# Altium PCB DAP_MINI.PcbDoc
Units mil, origin at the board's own origin, x right, y up, seen from the top; angles counter-clockwise.
Board outline 1574.69 x 695 mil, 2 copper layers (Top Layer, Bottom Layer), stack 61.756 mil thick; 34 components, 48 nets, 171 pads, 93 vias.
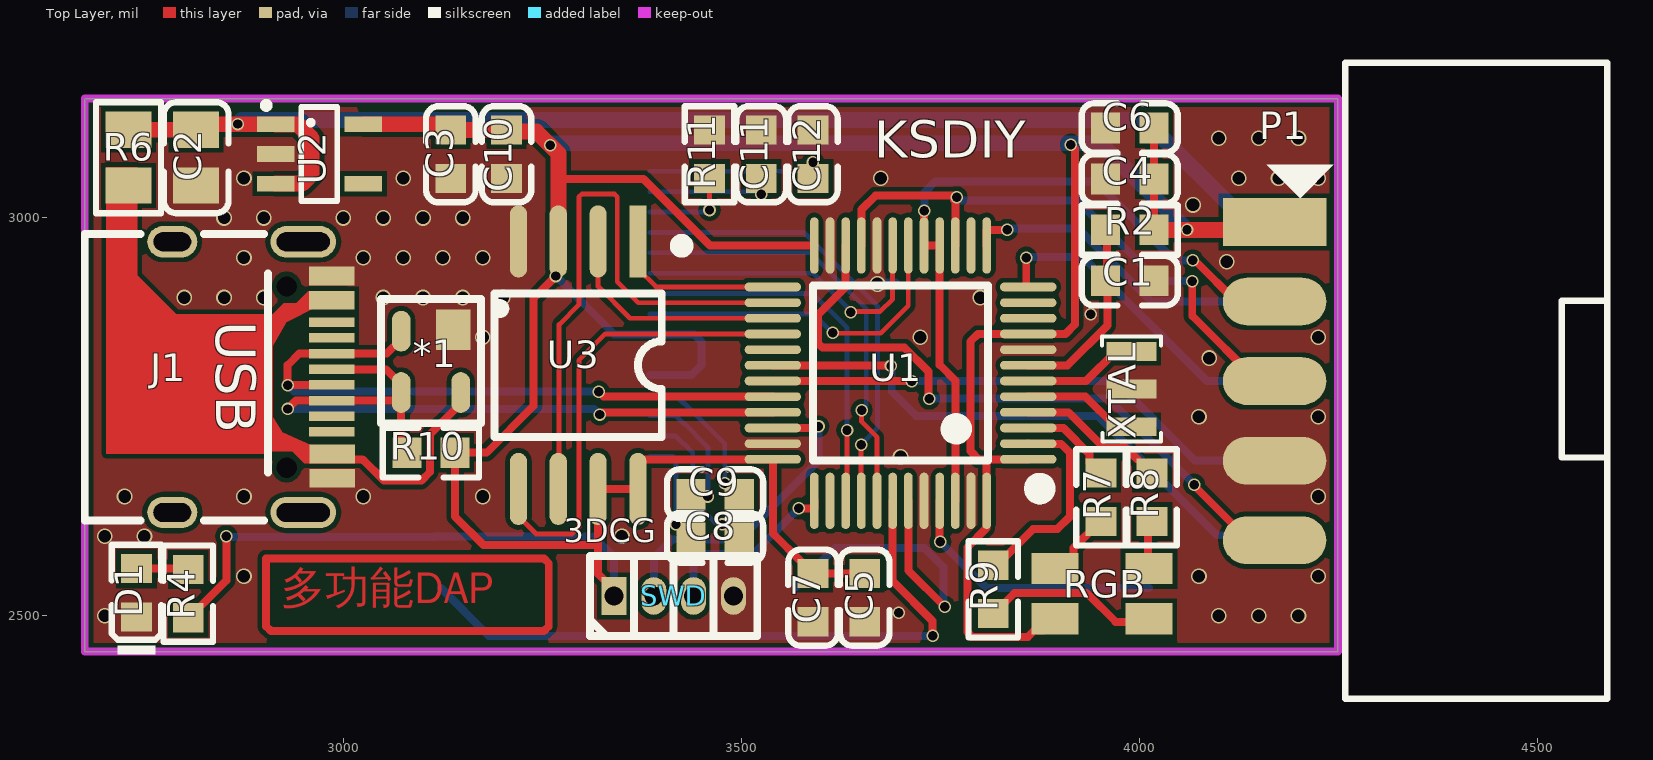
[diagram p0: Top Layer view]
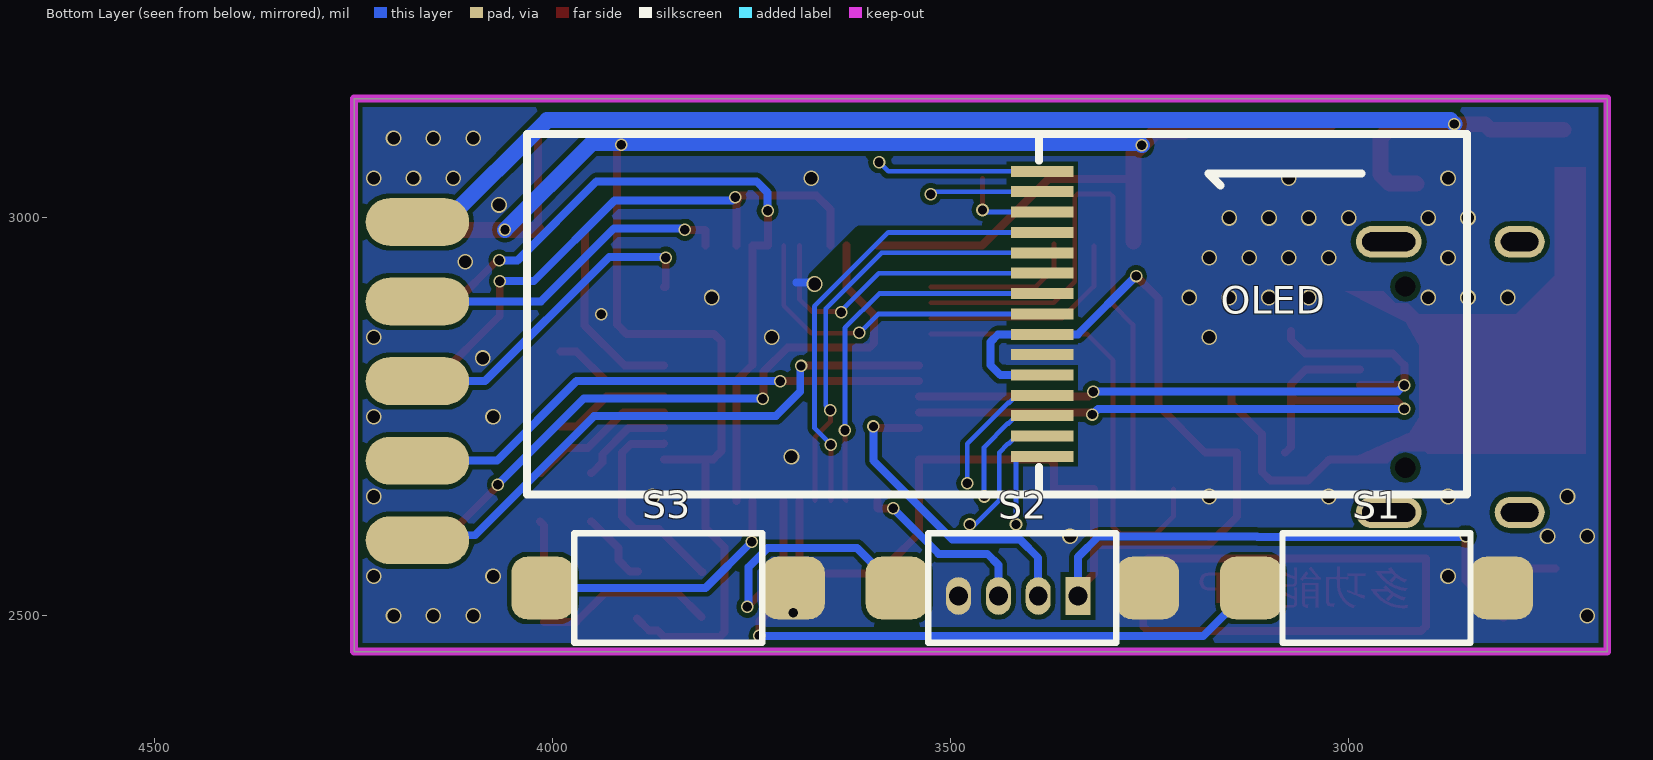
[diagram p1: Bottom Layer view, seen from below]
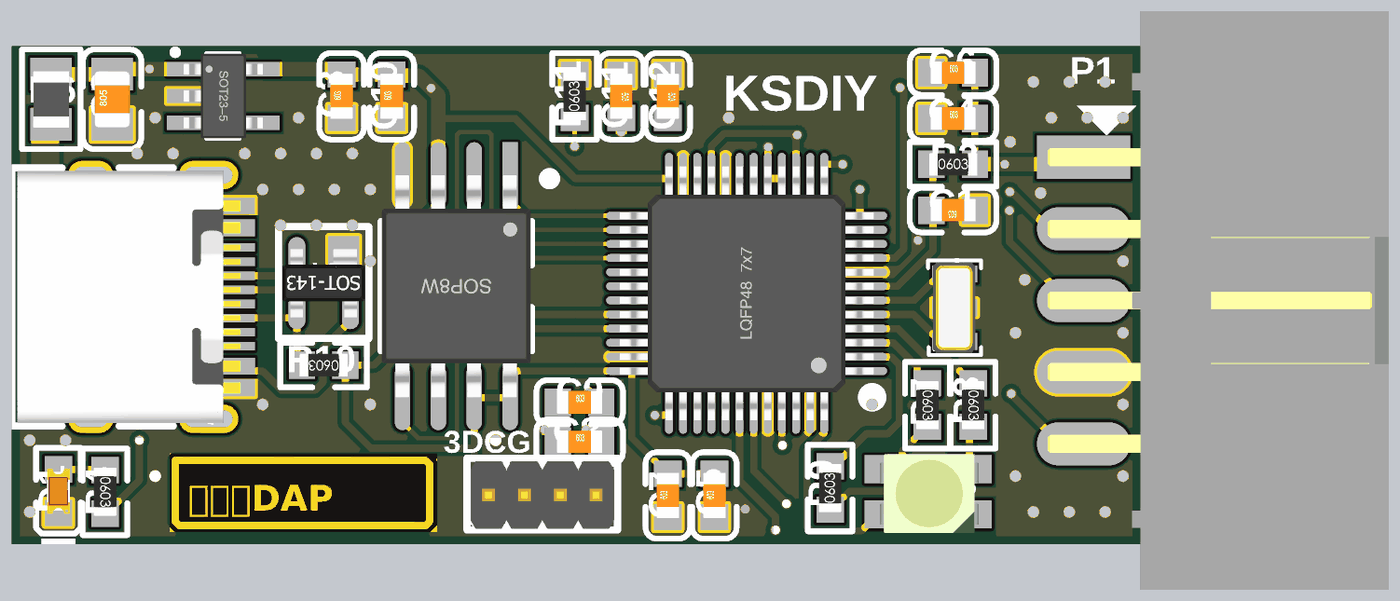
[diagram p2: 3D render of the assembled board from above, using the file's embedded part models]
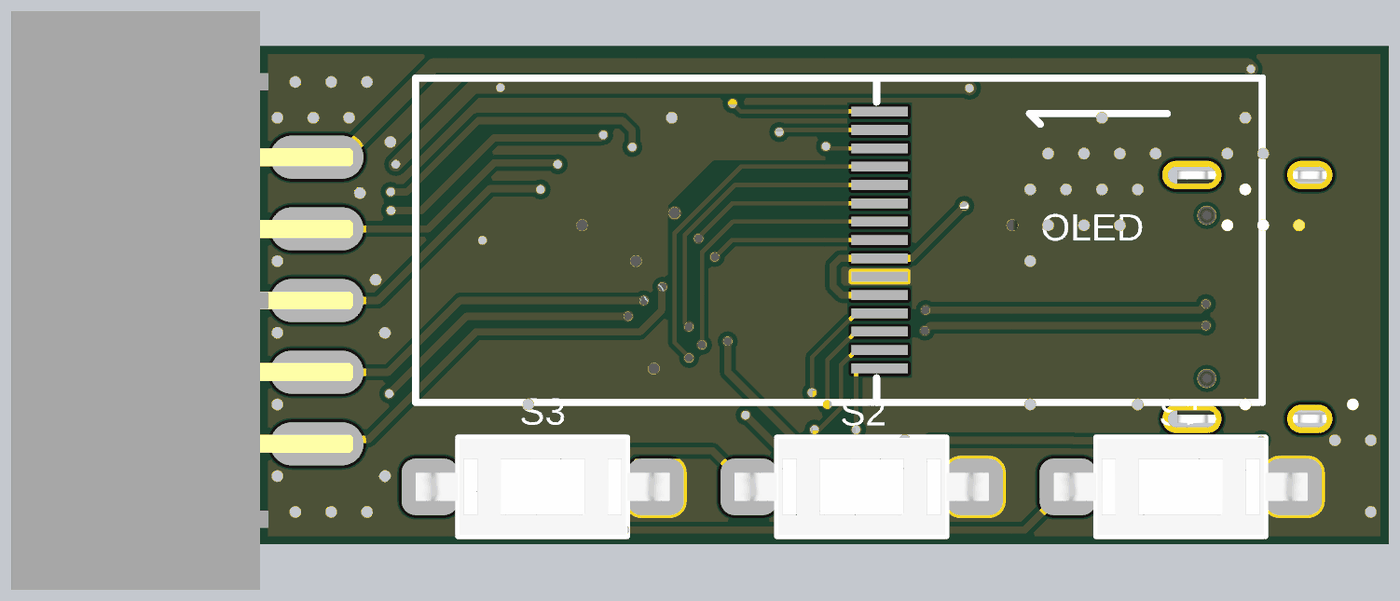
[diagram p3: 3D render of the assembled board from below, using the file's embedded part models]

## Layer stack, top to bottom
Top Solder: solder mask 1, SM-001, Dk 4
Top Layer: signal copper 1.378
Dielectric 1: core 59, Core-043, Dk 4.3
Bottom Layer: signal copper 1.378
Bottom Solder: solder mask 1, SM-001, Dk 4

## Board outline
2675,2455 2675,3150 4249.69,3150 4249.69,2455

## Design rules (kind name [scope] priority, off if disabled: settings)
Clearance [All] p1: gap=6 ignorepadtopadclearanceinfootprint=FALSE
PolygonConnect [All] p1: connectstyle=Direct reliefconductorwidth=10 reliefentries=4 polygonreliefangle="90 Angle" airgapwidth=10
RoutingVias [All] p1: holewidth=11.81 width=15.75 viastyle="Through Hole" minholewidth=11.81 minwidth=15.75 maxholewidth=11.81 maxwidth=15.75
SolderMaskExpansion [All] p1: expansion=4 istentingtop=FALSE
Width [InNet('No Net')] p1: maxlimit=20 minlimit=6 preferedwidth=6
30 further rules are at their usual default settings.

## Components (designator, comment, footprint, x,y, rotation, side; value= is the part's Value field where it differs from the comment)
*1 "PRTR5V0U2X" LC-SOT-143 3110,2820 r90 top
C1 "106" 0603_C 3988,2921 r180 top
C2 "106" 0805_C 2815,3075.75 r90 top
C3 "106" 0603_C 3135,3080 r90 top value=104
C4 "106" 0603_C 3988,3049 r0 top value=104
C5 "106" 0603_C 3655,2523 r90 top value=104
C6 "106" 0603_C 3988,3113 r0 top value=104
C7 "106" 0603_C 3590,2523 r90 top value=104
C8 "106" 0603_C 3467,2598 r0 top value=104
C9 "106" 0603_C 3467,2653 r0 top value=104
C10 "106" 0603_C 3205,3080 r90 top
C11 "106" 0603_C 3525,3080 r270 top value=104
C12 "106" 0603_C 3590,3080 r270 top value=104
D1 "白灯 0603" 0603_LED_S1 2740,2529 r90 top
J1 "USB type C" "USB Type-C-16Pin_A" 2785,2800 r270 top
OLED "QG-2832TLBFG02" 0.91-OLED 4031.57,3156.38 r180 bottom (schematic designator OLED1)
P1 "Header 5X2" "300S-2*5P 2.54MM_2" 4170,2995 r0 top
R2 "Res2" 0603_R 3988,2985 r0 top value=10K
R4 "Res2" 0603_R 2805,2528 r270 top value=1K
R6 "1A保险丝" 0805_L 2730,3075.75 r270 top value=1000MA
R7 "1K" 0603_R 3952,2649 r270 top value=300R
R8 "1K" 0603_R 4016,2649 r270 top value=300R
R9 "1K" 0603_R 3816.46,2533.36 r90 top value=300R
R10 "Res2" LC-0603_R 3110,2705 r180 top value=1.5K
R11 "Res2" 0603_R 3460,3080 r90 top value=10K
RGB "RGB_LED" LED_3528_RGB 3953.02,2528.08 r180 top (schematic designator RGB1)
S1 "RST" KEY 2965,2535 r0 bottom
S2 "RST" KEY 3410,2535 r0 bottom
S3 "RST" KEY 3855,2535 r0 bottom
SWD "Header 4" HDR1.27-LI-4P 3415,2525 r0 top (schematic designator SWD1)
U1 "STM32F103C" "LQFP48 7X7_N" 3700,2805 r90 top
U2 "MIC5219" SOT23-5N 2970,3080.37 r270 top
U3 "W25QXX" SOP8W_N 3295,2815 r270 top
XTAL "8M" XTAL-3215-3P 3990,2785 r90 top (schematic designator XTAL1)

## Footprints (in the part's own frame and the unit in brackets; to place one, negate y for a bottom-side part, rotate by r counter-clockwise, add the part's x,y. Pads: shape width x height; smd on the part's side, far side on the other; paste and mask are expansions set on the pad)
0.91-OLED [mm]
  rect 2x0.35 smd: 1(16.423,-11.585) 2(16.423,-10.933) 3(16.423,-10.283) 4(16.423,-9.633) 5(16.423,-8.985) 6(16.423,-8.335) 7(16.423,-7.685) 8(16.423,-7.035) 9(16.423,-6.385) 10(16.423,-5.735) 11(16.423,-5.085) 12(16.423,-4.435) 13(16.423,-3.785) 14(16.423,-3.135) 15(16.423,-2.485)
  silkscreen extent -0.02,-12.79 29.98,-1.29
"300S-2*5P 2.54MM_2" [mil] "2.54mm 2*5P 直 简牛"
  rect 130x60 smd: 1(0,0)
  oval 130x60 smd far side: 2(0,0) 4(0,-100) 6(0,-200) 8(0,-300) 10(0,-400)
  oval 130x60 smd: 3(0,-100) 5(0,-200) 7(0,-300) 9(0,-400)
  silkscreen extent -10,-599 418,200, body extent -50,-604 426,204, height 169
0603_C [mm]
  rect 0.93x0.98 smd: 1(-0.77,0) 2(0.77,0)
  silkscreen extent -1.53,-0.79 1.54,0.79, body extent -0.8,-0.4 0.8,0.4, height 0.3
0603_LED_S1 [mm]
  rect 0.93x0.98 smd: A(0.77,0) K(-0.77,0)
  silkscreen extent -1.98,-0.79 1.54,0.79, body extent -0.8,-0.4 0.8,0.4, height 0.6
0603_R [mm]
  rect 0.93x0.98 smd: 1(-0.77,0) 2(0.77,0)
  silkscreen extent -1.53,-0.79 1.54,0.79, body extent -0.85,-0.4 0.85,0.4, height 0.56
0805_C [mm]
  rect 1.16x1.47 smd: 1(-0.89,0) 2(0.89,0)
  silkscreen extent -1.77,-1.04 1.77,1.04, body extent -1,-0.62 1,0.63, height 0.77
0805_L [mm]
  rect 1.16x1.47 smd: 1(-0.89,0) 2(0.89,0)
  silkscreen extent -1.77,-1.04 1.77,1.03, body extent -1.02,-0.64 1.03,0.64, height 0.6
HDR1.27-LI-4P [mm] "直插，脚距：1.27mm"
  rect 0.8x1.2 hole 0.6: 1(-1.905,0)
  oval 0.8x1.2 hole 0.6: 2(-0.635,0) 3(0.635,0) 4(1.905,0)
  silkscreen extent -2.67,-1.27 2.67,1.27, body extent -2.54,-1.24 2.54,1.16, height 4.48
KEY [mm]
  rrect50% 2x2 smd: 1(-4,0) 2(4,0)
  silkscreen extent -3,-1.75 3,1.75, body extent -4.5,-1.75 4.5,1.75, height 4.5
LC-0603_R [mm]
  rect 0.93x0.98 smd: 1(-0.77,0) 2(0.77,0)
  silkscreen extent -1.53,-0.79 1.54,0.79, body extent -0.85,-0.4 0.85,0.4, height 0.56
LC-SOT-143 [mm]
  rect 1.3x1.1 smd: 1(1,-0.71)
  oval 1.3x0.6 smd: 2(0.96,0.95) 3(-1,0.95) 4(-1,-0.95)
  silkscreen extent -1.98,-2.35 1.98,1.6, body extent -1.23,-1.46 1.19,1.46, height 1
LED_3528_RGB [mm]
  rect 1.5x1 smd: 1(1.5,-0.8) 2(-1.5,-0.8) 3(-1.5,0.8) 4(1.5,0.8)
  body extent -1.79,-1.34 1.71,1.46, height 1.9
"LQFP48 7X7_N" [mm] "48脚，体宽7x7mm，脚距0.5mm"
  oval 0.279x1.8 smd: 1(-2.75,-4.075) 2(-2.25,-4.075) 3(-1.75,-4.075) 4(-1.25,-4.075) 5(-0.75,-4.075) 6(-0.25,-4.075) 7(0.25,-4.075) 8(0.75,-4.075) 9(1.25,-4.075) 10(1.75,-4.075) 11(2.25,-4.075) 12(2.75,-4.075) 25(2.75,4.075) 26(2.25,4.075) 27(1.75,4.075) 28(1.25,4.075) 29(0.75,4.075) 30(0.25,4.075) 31(-0.25,4.075) 32(-0.75,4.075) 33(-1.25,4.075) 34(-1.75,4.075) 35(-2.25,4.075) 36(-2.75,4.075)
  oval 1.8x0.279 smd: 13(4.075,-2.75) 14(4.075,-2.25) 15(4.075,-1.75) 16(4.075,-1.25) 17(4.075,-0.75) 18(4.075,-0.25) 19(4.075,0.25) 20(4.075,0.75) 21(4.075,1.25) 22(4.075,1.75) 23(4.075,2.25) 24(4.075,2.75) 37(-4.075,2.75) 38(-4.075,2.25) 39(-4.075,1.75) 40(-4.075,1.25) 41(-4.075,0.75) 42(-4.075,0.25) 43(-4.075,-0.25) 44(-4.075,-0.75) 45(-4.075,-1.25) 46(-4.075,-1.75) 47(-4.075,-2.25) 48(-4.075,-2.75)
  silkscreen extent -3.93,-4.69 2.79,2.79, body extent -4.5,-4.5 4.5,4.5, height 1.45
SOP8W_N [mm] "5.3*8.3*1.8mm（长宽高）"
  rect 2.3x0.55 smd: 1(-3.95,1.905)
  oval 2.3x0.55 smd: 2(-3.95,0.635) 3(-3.95,-0.635) 4(-3.95,-1.905) 5(3.95,-1.905) 6(3.95,-0.635) 7(3.95,0.635) 8(3.95,1.905)
  silkscreen extent -3.94,-2.67 2.29,3.43, body extent -3.94,-2.64 3.94,2.64, height 1.9
SOT23-5N [mm] "3x1.6x1.1mm(长宽高)"
  rect 0.5x1.2 smd: 1(-0.95,-1.4) 2(0,-1.4) 3(0.95,-1.4) 4(0.95,1.4) 5(-0.95,1.4)
  silkscreen extent -1.63,-1.78 1.5,0.56, body extent -1.5,-1.4 1.5,1.4, height 1.15
"USB Type-C-16Pin_A" [mm]
  round 0 hole 0.65: 0(-2.89,3.65) 0(2.89,3.65)
  oval 1x2.1 hole 0.6 slot 1.7 at 90 deg: 1(-4.32,4.18) 1(4.32,4.18)
  oval 1x1.6 hole 0.6 slot 1.2 at 90 deg: 1(-4.32,0) 1(4.32,0)
  rect 0.3x1.45 smd: A1(-3.375,5.092) A4(-2.6,5.092) A5(-1.25,5.092) A6(-0.25,5.092) A7(0.25,5.092) A8(-1.75,5.092) A9(2.6,5.1) A12(3.375,5.1) B1(3.075,5.1) B4(2.3,5.1) B5(1.75,5.092) B6(0.75,5.092) B7(-0.75,5.092) B8(1.25,5.092) B9(-2.3,5.092) B12(-3.075,5.092)
  silkscreen extent -4.57,-2.79 4.57,3.05, body extent -4.47,-2.6 4.47,5.3, height 3.25
XTAL-3215-3P [mm]
  rect 0.6x1.6 smd: 1(-1.2,0) 2(0,0) 3(1.2,0)
  silkscreen extent -1.68,-0.94 1.68,0.94, body extent -1.6,-0.74 1.6,0.76, height 0.9

## Part data
C1 C2 C3 C4 C5 C6 C7 C8 C9 C10 C11 C12: library part C_1
D1: library part "0603 白灯", "发光二极管", Package=0603, SuppliersPartNumber=C2290, ComponentLink1Description=供应商链接, ComponentLink1URL=http://www.szlcsc.com/product/details_2663.html, Supplier=LC
J1: library part USB_C
OLED: library part 0.91-OLED, BOM_Manufacturer=Allvision, BOM_Manufacturer Part=QG-2832TLBFG02, BOM_Supplier=LCSC, BOM_Supplier Part=C91220, Contributor=LCSC, spicePre=O, spiceSymbolName=QG-2832TLBFG02
P1: "Header, 5-Pin, Dual row", LatestRevisionDate=17-Jul-2002, LatestRevisionNote="Re-released for DXP Platform.", Publisher="Altium Limited"
R2 R4 R10 R11: "Resistor", LatestRevisionDate=17-Jul-2002, LatestRevisionNote="Re-released for DXP Platform.", PackageReference=AXIAL-0.4, Published=8-Jun-2000, Publisher="Altium Limited"
R6 R7 R8 R9: library part Res2, "Resistor", LatestRevisionDate=17-Jul-2002, LatestRevisionNote="Re-released for DXP Platform.", PackageReference=AXIAL-0.4, Published=8-Jun-2000, Publisher="Altium Limited"
RGB: "三色高亮LED"
S1 S2 S3: library part SW-PB, "Switch", LatestRevisionDate=17-Jul-2002, LatestRevisionNote="Re-released for DXP Platform.", PackageDescription="Switch; 2 Leads", PackageReference=SPST-2, Published=24-Mar-1999, Publisher="Altium Limited"
SWD: "Header, 4-Pin", LatestRevisionDate=17-Jul-2002, LatestRevisionNote="Re-released for DXP Platform.", Publisher="Altium Limited"
U2: "3.3V 降压芯片"
U3: "SPI FLASH", Memory="16M bit"
XTAL: library part XTAL1

## Via types
v1: diameter 19.68, hole 15.75, Top Layer to Bottom Layer, tented both sides, 54 vias
v2: diameter 15.75, hole 11.81, Top Layer to Bottom Layer, tented both sides, 39 vias

## Nets (pads, with @x,y where several pads share a name; then routed paths per layer and width w, separated by ;. In a path a pad name is that pad's centre, name@x,y a point inside that pad or via, vN(x,y) a via of type N, cw(c..) or ccw(c..) an arc to the next point about the centre after c; other vN are vias at no path point)
3V3: C3.2 C4.2 C5.2 C6.2 C7.2 C10.2 OLED.5 OLED.7 P1.1 R2.2 R4.2 R10.1 RGB.4 SWD.1 U1.1 U1.9 U1.24 U1.36 U1.48 U2.5 U3.3 U3.7 U3.8 | length 4973.6
  Top Layer w10: R4.2 2805.98,2497.68 2853,2544.7 v2(2853,2600) ; v2(3267,2927) 3239,2899 3239,2764 3180,2705 R10.1 3140.31,2624.69 3176.11,2588.89 3320,2588.89 ; 3270,3050 3271,3049 3377,3049 3460.55,2965.45 U1.24 ; SWD.1 3340,2532.87 3320,2552.88 3320,2588.89 ; C5.2 C7.2 3589.02,2553.32 3575.71,2566.62 3575.71,2567.61 3539.55,2603.76 U1.36 3375.95,2696.73 3370,2690.78 U3.8 U3.7 3320,2588.89 ; U1.1 3809,2696.73 ; RGB.4 3879.28,2481.9 3868.23,2481.9 3860.07,2473.74 3789.86,2473.74 3784,2479.6 3784,2586.21 3808.08,2610.29 3808.08,2644.36 U1.48 3808.27,2696 3809,2696.73 ; v2(3914,3092) 3919,3087 3919,2866 3907.21,2854.21 U1.9 3797.21,2854.21 3788,2845 3788,2707 3798.27,2696.73 3809,2696.73 ; C6.2 C4.2 4018.32,2987 R2.2@4020.32,2985
  Top Layer w20: U2.5 3113.42,3117.77 3120.87,3110.32 C3.2 C10.2 3206.82,3108.5 3242.58,3108.5 3270,3081.07 3270,3050 U3.3 ; R2.2@4020.32,2985 v2(4060,2985) 4160,2985 P1.1
  Bottom Layer w10: v2(2853,2600) 2853.76,2599.24 3114.22,2599.24 3114.98,2600 3314,2600 3340,2574 SWD.1 ; v2(3267,2927) 3340.18,2853.82 OLED.7 3440.32,2853.82 3450,2844.14 3450,2815 3437.64,2802.64 OLED.5
  Bottom Layer w20: v2(3259.73,3091.32) 3262.29,3093.87 3951.13,3093.87 v2(4060,2985)
5V: C2.2 P1.2 R6.1 U2.1 U2.3 | length 1693.4
  Top Layer w20: R6.1 2821.69,3110.79 2828.67,3117.77 U2.1 2915.04,3117.61 2942.39,3117.61 2960,3100 2960,3055 2948.13,3043.13 2915.04,3043.13 U2.3
  Bottom Layer w20: v2(2867,3118) 2872,3123 4007,3123 4135,2995 P1.2
5V_IN: *1.4 J1.A4 J1.A9 J1.B4 J1.B9 R6.2 | length 254.8
  Top Layer w10: J1.A9 2986.69,2696.73 3023.27,2696.73 3024,2696 3025,2696 3051,2670 3098,2670 3109,2681 3109,2728.45 3147.4,2766.85 *1.4
CLK: SWD.3 U1.37 | length 229.4
  Top Layer w10: v2(3572,2635) 3591.27,2635 3591.73,2635.46 U1.37
  Bottom Layer w10: SWD.3 3440,2564 3454,2578 3515,2578 v2(3572,2635)
DIO: SWD.2 U1.34 | length 406.8
  Top Layer w10: U1.34 3593.55,2736.1 3595.44,2738 v2(3597,2738)
  Bottom Layer w10: SWD.2 3390,2573 3413,2596 3498,2596 3597,2695 v2(3597,2738)
GND: *1.1 C1.1 C2.1 C3.1 C4.1 C5.1 C6.1 C7.1 C10.1 C11.1 C12.1 D1.K J1.A1 J1.A12 J1.B1 J1.B12 OLED.6 P1.7 R11.2 S1.1 S2.1 S3.1 SWD.4 U1.8 U1.20 U1.23 U1.35 U1.44 U1.47 U2.2 U3.4 XTAL.2 | length 23.8
  Bottom Layer w10: v1(3671,2917) 3672.85,2918.85 3693.85,2918.85 3694,2919
  other v1: 2700,2500 4100,2500 4150,2500 4200,2500 2875,2550 4075,2550 4225,2550 2700,2600 2750,2600 3350,2600 2725,2650 2875,2650 3025,2650 3175,2650 3875,2650 4225,2650 3700,2700 4075,2750 4225,2750 4088,2824 3175,2850 3725,2850 4225,2850 2800,2900 2850,2900 2900,2900 3050,2900 3100,2900 3150,2900 3200,2900 3800,2900 4110,2945 2875,2950 3025,2950 3075,2950 3125,2950 3175,2950 2850,3000 2900,3000 3000,3000 3050,3000 3100,3000 3150,3000 4067.5,3016.32 2875,3050 3075,3050 3675,3050 4125,3050 4175,3050 4225,3050 4100,3100 4150,3100 4200,3100
  other v2: 3698,2504 3939,2879
KEY1: S1.2 U1.42 | length 833.2
  Top Layer w10: U1.42 3690.16,2543.84 3740.27,2493.73 v2(3740.27,2474.85)
  Bottom Layer w10: S1.2 3182.63,2474.85 v2(3740.27,2474.85)
KEY2: S2.2 U1.43 | length 419.9
  Top Layer w10: U1.43 3709.84,2557.07 v2(3755.5,2511.42)
  Bottom Layer w10: S2.2 3617.85,2585.37 3729.91,2585.37 3754.13,2561.16 3754.13,2512.79 v2(3755.5,2511.42)
KEY3: S3.2 U1.45 | length 338.4
  Top Layer w10: U1.45 3749.21,2593.79 v2(3749.96,2593.04)
  Bottom Layer w10: v2(3749.96,2593.04) 3808,2535 S3.2
LCD_CS: OLED.8 U1.18 | length 425
  Top Layer w6: v2(3615,2855.87) 3615.87,2855 3675,2855 3709.84,2889.84 U1.18
  Bottom Layer w6: OLED.8 3590.59,2879.41 3614.13,2855.87 v2(3615,2855.87)
LCD_D0: OLED.11 U1.41 | length 552.9
  Top Layer w6: v2(3651.13,2758.49) 3651.13,2743.87 3670.47,2724.53 U1.41
  Bottom Layer w6: OLED.11 3586.84,2956.19 3656.87,2886.16 3656.87,2764.24 v2(3651.13,2758.49)
LCD_D1: OLED.12 U1.40 | length 577.7
  Top Layer w6: U1.40 3650.39,2644.95 3650.39,2714.35 v2(3650.85,2714.8)
  Bottom Layer w6: OLED.12 3578.22,2981.78 3671.13,2888.87 3671.13,2736.13 3650.85,2715.85 v2(3650.85,2714.8)
LCD_DC: OLED.10 U1.19 | length 400.6
  Top Layer w6: v2(3637.53,2881.64) 3638.36,2882.47 3674.58,2882.47 3690,2897.89 3690,2965.29 U1.19
  Bottom Layer w6: OLED.10 3590.24,2930.59 3637.53,2883.3 v2(3637.53,2881.64)
LCD_RES: OLED.9 U1.39 | length 483.7
  Top Layer w6: U1.39 3632.81,2646.26 v2(3632.81,2733.19)
  Bottom Layer w6: OLED.9 3589.74,2905 3632.81,2861.93 v2(3632.81,2733.19)
"LED G": R8.1 U1.4 | length 187.2
  Top Layer w10: U1.4 3911.21,2755.79 3956,2711 3983.33,2711 4015.02,2679.31 R8.1
"LED R": R7.1 U1.3 | length 121.1
  Top Layer w10: U1.3 3860.64,2735.91 3904.72,2735.91 3937.71,2702.92 3937.71,2692.62 3951.02,2679.31 R7.1
LED_DAP: R9.2 U1.2 | length 267.1
  Top Layer w10: R9.2@3812,2555.32 3812.98,2555.32 3866.67,2609 3897,2609 3913,2625 3913,2705 3901.77,2716.23 3860.64,2716.23 U1.2
NetC8_1: C8.1 OLED.1 | length 116
  Bottom Layer w6: OLED.1 3413.99,2700.28 3417.88,2696.39 v2(3417.88,2614.87)
NetC8_2: C8.2 OLED.2 | length 172.7
  Bottom Layer w6: OLED.2 3417.48,2725.95 3427.26,2716.17 3428.1,2716.17 3439,2705.27 3439,2645.14 3470.06,2614.08 3475.03,2614.08 v2(3475.83,2614.87)
NetC9_1: C9.1 OLED.3 | length 151.3
  Bottom Layer w6: OLED.3 3417.48,2751.54 3427.18,2741.84 3428.1,2741.84 3458,2711.94 v2(3458,2650)
NetC9_2: C9.2 OLED.4 | length 169.3
  Bottom Layer w6: OLED.4 3417.48,2777.13 3427.18,2767.43 3428.1,2767.43 3479.22,2716.31 v2(3479.22,2666.42)
NetC11_2: C11.2 OLED.14 | length 141.2
  Bottom Layer w6: OLED.14 3522.04,3032.96 v2(3525,3030)
NetC12_2: C12.2 OLED.15 | length 209.7
  Bottom Layer w6: OLED.15 3578.55,3058.55 v2(3590,3070)
NetD1_A: D1.A R4.1 | length 65.4
  Top Layer w10: D1.A 2804,2559.32 R4.1
NetOLED1_13: OLED.13 R11.1 | length 115.8
  Top Layer w6: v2(3460,3010) R11.1
  Bottom Layer w6: OLED.13 3457.37,3007.37 v2(3460,3010)
NetR7_2: R7.2 RGB.1 | length 94
  Top Layer w10: RGB.1@3892.94,2555.5 3902.79,2555.5 3917.47,2570.18 3917.47,2585.14 3951.02,2618.68 R7.2
NetR8_2: R8.2 RGB.2 | length 65.2
  Top Layer w10: RGB.2@4011.06,2555.5 4011.06,2613.74 R8.2
NetR9_1: R9.1 RGB.3 | length 225.8
  Top Layer w10: R9.1@3812.98,2498.59 3843.42,2529.03 3859.74,2529.03 3859.88,2528.89 3933.92,2528.89 3970.3,2492.5 RGB.3@4011.06,2492.5
NRF_CE: U1.29
NRF_CSN: U1.14
NRF_MISO: P1.3 U1.16 U1.17 U1.46 | length 923.8
  Top Layer w10: v2(3730,3009.13) 3729.72,3008.84 3729.72,2965.64 U1.17 U1.16 3749.21,2815.41 3768.9,2795.73 U1.46 ; v2(4067.12,2946.61) 4068.22,2945.51 4070.96,2945.51 4121.47,2895 P1.3
  Bottom Layer w10: v2(3730,3009.13) 3730,3032 3744,3046 3945,3046 4044.39,2946.61 v2(4067.12,2946.61)
NRF_SCK: P1.5 U1.15 U1.21 | length 756.2
  Top Layer w10: U1.21 3650.98,2965.64 3650.98,3010.49 3668.49,3028 3768.55,3028 v2(3770.56,3025.99) 3767,3022.44 3768.9,3020.55 U1.15 ; v2(4066.54,2920.56) 4066.54,2876.99 4148.53,2795 P1.5
  Bottom Layer w10: v2(3770.56,3025.99) 3774.55,3022 3922.41,3022 4023.85,2920.56 v2(4066.54,2920.56)
OSC1: U1.5 XTAL.1 | length 145.2
  Top Layer w10: U1.5 3932.6,2775.47 3970.31,2737.76 XTAL.1
OSC2: U1.6 XTAL.3 | length 144.9
  Top Layer w10: U1.6 3933.23,2795.16 3970.31,2832.24 XTAL.3
RST: C1.2 R2.1 U1.7 | length 240.5
  Top Layer w10: U1.7 3909.84,2814.84 3960,2865 3960,2910 3959.69,2910.31 R2.1@3959.69,2985
SPI2_MISO: U1.27 U3.2 | length 272.2
  Top Layer w6: U3.2@3320,2965.03 3320,2914 3360.1,2873.9 U1.27@3524.55,2873.9
SPI2_MOSI: U1.28 U3.5 | length 574.8
  Top Layer w6: U3.5 3220,2625.04 3242.15,2602.89 3287.07,2602.89 3296,2611.82 3296,2821 3329.21,2854.21 U1.28@3524.55,2854.21
SPI2_SCK: U1.26 U3.6 | length 727.5
  Top Layer w6: U3.6@3271,2658.26 3271,2866 3296,2891 3296,3026.49 3299.51,3030 3340.49,3030 3344,3026.49 3344,2920 3370.42,2893.58 U1.26@3524.55,2893.58
TDI: U1.10
TDO: U1.11
TRST: P1.9 U1.22 | length 833.9
  Top Layer w10: U1.22 3631.1,2913.1 3596.13,2878.13 3596.13,2842.86 3601.98,2837 3705,2837 3735,2807 3735,2774 v2(3736,2773) ; v2(4069,2665) 4069,2663.44 4137.44,2595 P1.9
  Bottom Layer w10: v2(3736,2773) 3961,2773 v2(4069,2665)
USART1_RX: P1.8 U1.31 | length 671.9
  Top Layer w10: U1.31 3539.71,2795 v2(3714,2795)
  Bottom Layer w10: v2(3714,2795) 3970,2795 4070,2695 P1.8
USART1_TX: P1.10 U1.30 | length 739.8
  Top Layer w10: U1.30 3687.16,2814.84 v2(3688,2814)
  Bottom Layer w10: v2(3688,2814) 3689,2813 3689,2781.8 3719.67,2751.14 3947.86,2751.14 4097.68,2601.32 4163.68,2601.32 P1.10
USART2_RX: P1.4 U1.13 | length 419.9
  Top Layer w10: U1.13 3808.27,2984.54 3808.73,2985 v2(3834,2985)
  Bottom Layer w10: v2(3834,2985) 3836,2987 3923,2987 4015,2895 P1.4
USART2_TX: P1.6 U1.12 | length 415.9
  Top Layer w10: v2(3858,2950) 3858,2913.73 3858.46,2913.27 U1.12
  Bottom Layer w10: v2(3858,2950) 3859,2951 3929,2951 4085,2795 P1.6
USB_DM: *1.2 J1.A7 J1.B7 U1.32 | length 862.3
  Top Layer w10: J1.A7 2985.38,2790.08 2930.08,2790.08 v2(2930,2790) 2930,2815 2944.53,2829.53 J1.B7 3054.43,2829.53 3072.6,2847.7 *1.2 ; v2(3320.69,2781.82) 3327.03,2775.47 U1.32
  Bottom Layer w10: v2(2930,2790) 2938.18,2781.82 v2(3320.69,2781.82)
USB_DP: *1.3 J1.A6 J1.B6 R10.2 U1.33 | length 946.9
  Top Layer w10: v2(2930,2760) 2940.48,2770.48 J1.B6 3066.31,2770.48 *1.3@3072.6,2776.77 ; J1.A6 3053.47,2809.85 3072.6,2790.72 *1.3 *1.3@3072.6,2776.77 ; R10.2 3072.6,2712.09 *1.3@3072.6,2776.77 ; v2(3321.96,2752.99) 3323.51,2752.99 3326.31,2755.79 U1.33
  Bottom Layer w10: v2(2930,2760) 3314.95,2760 v2(3321.96,2752.99)
W25Q_CS: U1.25 U3.1 | length 195.3
  Top Layer w6: U3.1@3370,2967.4 3370,2936.06 3392.8,2913.27 U1.25@3524.55,2913.27
pads on no net: J1.0 J1.1 J1.A5 J1.A8 J1.B5 J1.B8 U1.38 U2.4
copper on no net: | length 879.7
  Top Layer w10: 2903,2572 2903,2520 2903,2486.86 2908.86,2481 3252.14,2481 3258,2486.86 3258,2566.14 3252.14,2572 2905,2572

## Polygon pours and split planes (outlines as drawn)
GND on Top Layer "GND_L01_P000" (solid, pour order 0): 2675,3153 4252,3153 4252,2453 4251,2452 4245.5,2457.5 2675,2457.5 2675,3151 2674,3152
GND on Bottom Layer "GND_L02_P001" (solid, pour order 1): 2674,3152 2676,3150 4248,3150 4248,2452 4242.5,2457.5 2675,2457.5 2675,3152

## Keep-outs
Keep-Out Layer:
  lines w10: 2675,2455 2675,2460 2675,3150 4249.69,3150 4249.69,2455 2675,2455

## Other copper
Top Layer:
  region net 5V_IN: 2702,3064 2702,2704 2901,2704 2911,2714 2911,2879 2790,2879 2741,2928 2741,3064
  region net 5V_IN: 2922.95,2731.02 2902,2765 2847,2765 2847,2707 2916,2707 2936,2707 2951,2692 3010,2692
  region net 5V_IN: 2927.95,2868.98 2907.95,2834 2853,2834 2853,2865 2897,2865 2925,2893 2941,2893 2956,2908 3005,2908
  text "多功能DAP" at 2921,2502 h70

## Silkscreen, mask and mechanical layers (free items; w line width, h text height)
Top Overlay:
  text "KSDIY" at 3667,3059.96 h80
  text "3DCG" at 3277,2582.6 h50
Top Solder:
  rectangle: 2895,2472 3268.27,2581.56

## Text inside footprints (layer, text, board x,y; h text height)
J1: Top Overlay "USB" at 2840,2870 h50 r270